# Altium PCB beovox-poe.PcbDoc (part 1 of 2) (continued)
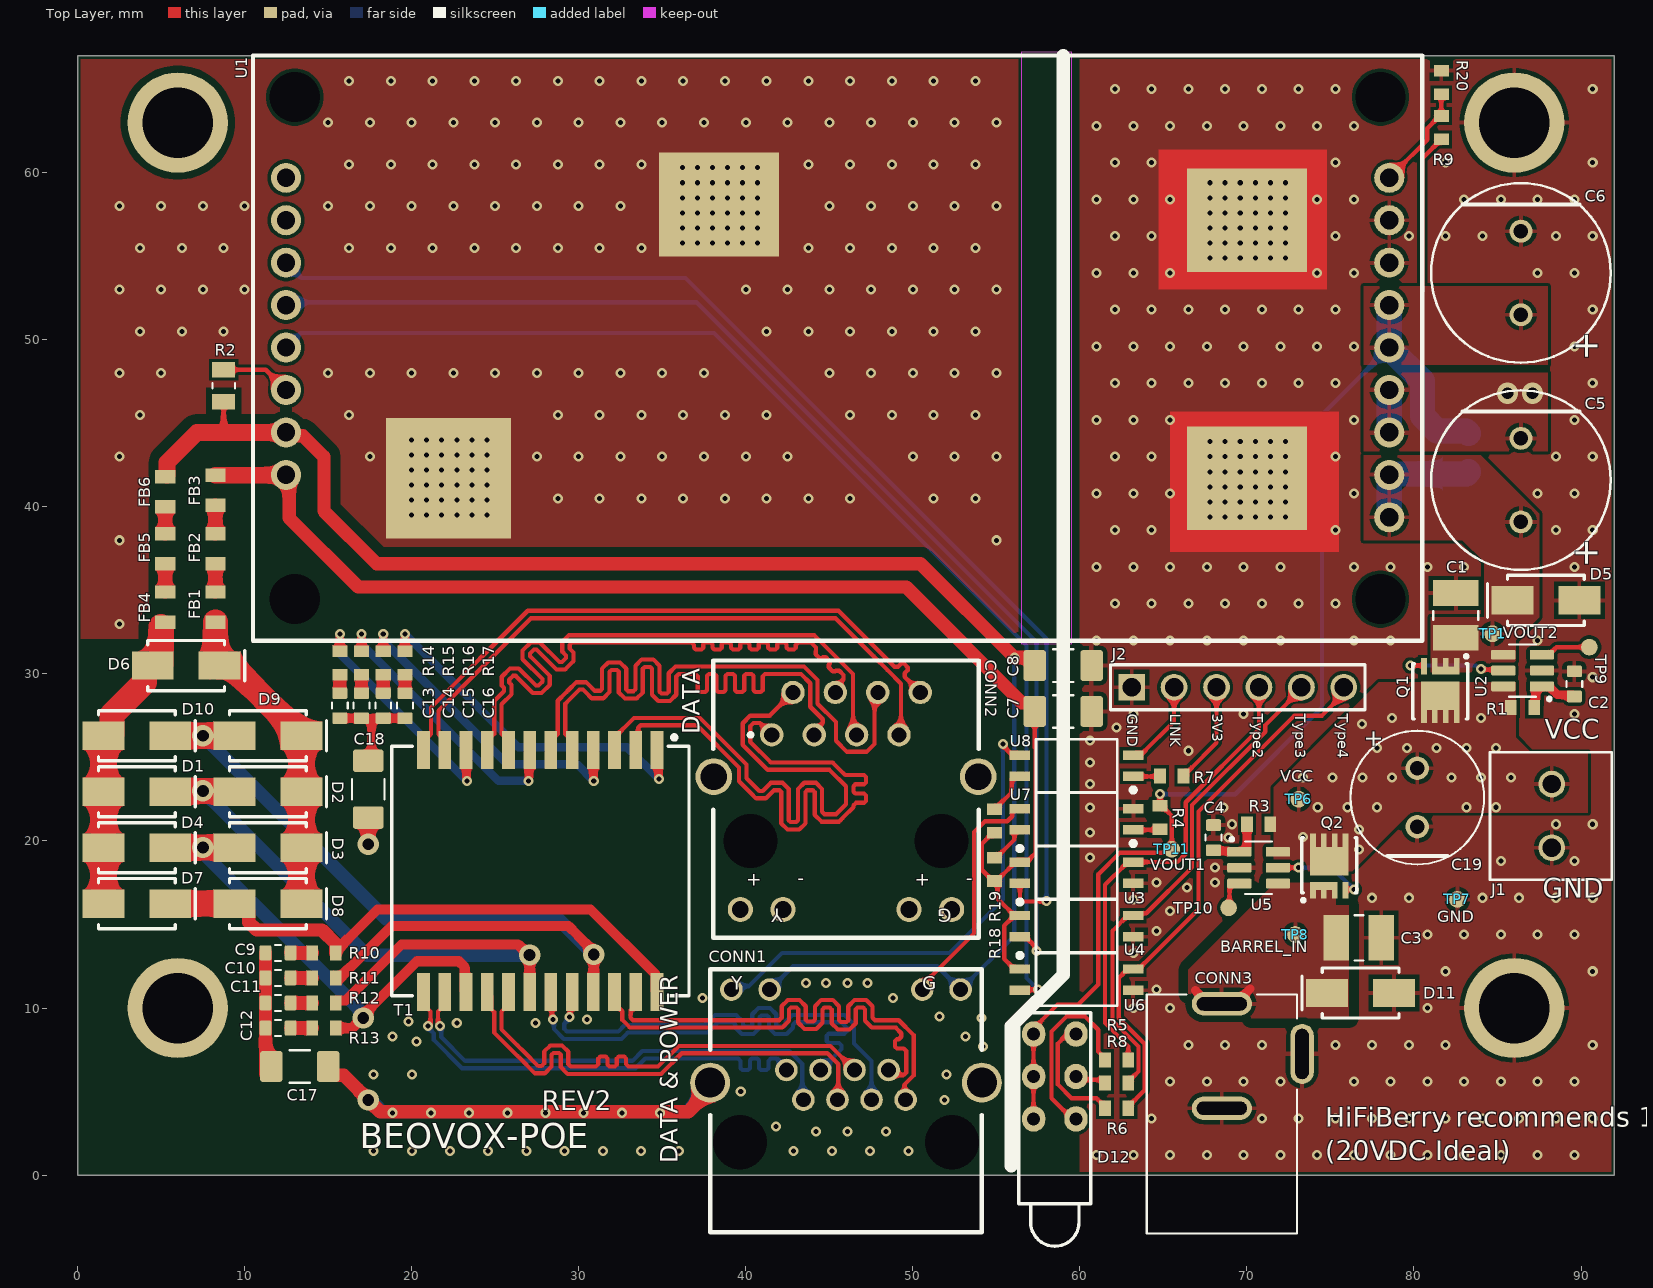
[diagram p0: Top Layer view]
## Classes and differential pairs
differential pair class DIFF100A: TxRxA TxRxB TxRxC TxRxD
differential pair class DIFF100B: TxRxA1 TxRxB1 TxRxC1 TxRxD1
net class HV: NetD1_2 NetD3_1 NetD7_2 NetD9_1 NetFB1_2 NetFB2_2 NetFB4_2 NetFB5_2 VIN2+ VIN2- VIN+ VIN-
differential pair TxRxD: +TxRxD_P -TxRxD_N
differential pair TxRxD1: +TxRxD1_P -TxRxD1_N
differential pair TxRxC: +TxRxC_P -TxRxC_N
differential pair TxRxC1: +TxRxC1_P -TxRxC1_N
differential pair TxRxB: +TxRxB_P -TxRxB_N
differential pair TxRxB1: +TxRxB1_P -TxRxB1_N
differential pair TxRxA1: +TxRxA1_P -TxRxA1_N
differential pair TxRxA: +TxRxA_P -TxRxA_N

## Components (designator, comment, footprint, x,y, rotation, side; value= is the part's Value field where it differs from the comment)
C1 "1uF / 100V" CAP_1210 82.5,33.5 r270 top
C2 "0.1uF" CAP_0603_SK 89.6,29.4 r270 top
C3 "1uF / 100V" CAP_1210 76.7,14.2 r180 top
C4 "0.1uF" CAP_0603_SK 68,20.2 r270 top
C5 "1000uF 35V" CAP_TH_5_10X20 86.4,41.6 r90 top value=1000uF
C6 "1000uF 35V" CAP_TH_5_10X20 86.4,54 r90 top value=1000uF
C7 "4.7nF 2kV" CAP_1206_SK 59,27.75 r0 top
C8 "4.7nF 2kV" CAP_1206_SK 59,30.5 r0 top
C9 "10nF" CAP_0603_SK 12,13.3 r0 top
C10 "10nF" CAP_0603_SK 12,11.8 r0 top
C11 "10nF" CAP_0603_SK 12,10.3 r0 top
C12 "10nF" CAP_0603_SK 12,8.8 r0 top
C13 "10nF" CAP_0603_SK 15.7,28.1 r90 top
C14 "10nF" CAP_0603_SK 17,28.1 r90 top
C15 "10nF" CAP_0603_SK 18.3,28.1 r90 top
C16 "10nF" CAP_0603_SK 19.6,28.1 r90 top
C17 "1000pF 2kV" CAP_1206_SK 13.3,6.5 r180 top
C18 "1000pF 2kV" CAP_1206_SK 17.4,23.1 r90 top
C19 "47uF / 100V" CAP_TH_3.5_8_12 80.2,22.6 r270 top
CONN1 "R-RJ45R08P-C000" R-RJ45R08P-C000 46,5.4 r0 top locked
CONN2 "R-RJ45S08P-C000" CONN_RJ45_R-RJ45S08P-C000 46,20 r180 top locked
CONN3 "DC-005H-D020" TENSILITY_54-00166 68.5,4 r0 top locked
D1 "SS36" DIOD-SMA-2_V 3.55,22.95 r0 top value="60V 3A"
D2 "SS36" DIOD-SMA-2_V 11.4,22.95 r0 top value="60V 3A"
D3 "SS36" DIOD-SMA-2_V 11.4,19.6 r0 top value="60V 3A"
D4 "SS36" DIOD-SMA-2_V 3.55,19.6 r0 top value="60V 3A"
D5 "60V / 2A" DIOD-B360A_V 87.9,34.4 r180 top
D6 "SMAJ58A" DIOD-SMA-2_V 6.5,30.5 r0 top value="58V 400W"
D7 "SS36" DIOD-SMA-2_V 3.55,16.25 r0 top value="60V 3A"
D8 "SS36" DIOD-SMA-2_V 11.4,16.25 r0 top value="60V 3A"
D9 "SS36" DIOD-SMA-2_V 11.4,26.3 r0 top value="60V 3A"
D10 "SS36" DIOD-SMA-2_V 3.55,26.3 r0 top value="60V 3A"
D11 "60V / 2A" DIOD-B360A_V 76.8,10.9 r180 top
D12 "3 Diode Vertical LED Green" MHK33147CGBTD 58.5,5.9 r0 top
FB1 "MPZ2012S601AT000" FB0805 8.25,34 r90 top
FB2 "MPZ2012S601AT000" FB0805 8.25,37.5 r90 top
FB3 "MPZ2012S601AT000" FB0805 8.25,41 r90 top
FB4 "MPZ2012S601AT000" FB0805 5.25,34 r90 top
FB5 "MPZ2012S601AT000" FB0805 5.25,37.5 r90 top
FB6 "MPZ2012S601AT000" FB0805 5.25,40.9 r90 top
J1 "DB125-3.81-2P-BK-S" TERM_2x1_3.81_BLK 88.25,21.5 r90 top
J2 "PZ254V-11-06P" HDR_MALE_1X6_2.54 69.45,29.2 r0 top
J3 "JUMPER" "SOLDER_JUMPER_3 large" 83.2,44.3 r90 bottom
J4 "JUMPER" "SOLDER_JUMPER_3 large" 83.2,51.7 r90 bottom
MP1 "SMTSOM380BTR" SMTSOM380_PlatedScrew 6,63 r180 bottom
MP2 "SMTSOM380BTR" SMTSOM380_PlatedScrew 86,63 r180 bottom
MP3 "SMTSOM380BTR" SMTSOM380_PlatedScrew 6,10 r180 bottom locked
MP4 "SMTSOM380BTR" SMTSOM380_PlatedScrew 86,10 r180 bottom locked
Q1 "100V 40A" TRANS_8POWERTDFN 81.575,28.95 r180 top
Q2 "100V 40A" TRANS_8POWERTDFN 74.925,18.55 r0 top
R1 "100" RES_0603 86.5,28 r180 top
R2 "0" RES_0805 8.75,47.25 r90 top
R3 "100" RES_0603 70.7,21 r0 top
R4 "10K" RES_0603 64.8,21.4 r90 top
R5 "10K" RES_0603 62.2,6.9 r0 top
R6 "10K" RES_0603 62.2,4 r0 top
R7 "1K" RES_0603 65.5,23.9 r180 top
R8 "10K" RES_0603 62.2,5.5 r0 top
R9 "91k" RES_0603 81.633,62.7 r90 top
R10 "75" RES_0603 14.75,13.3 r0 top value=75R
R11 "75" RES_0603 14.75,11.8 r0 top value=75R
R12 "75" RES_0603 14.75,10.3 r0 top value=75R
R13 "75" RES_0603 14.75,8.8 r0 top value=75R
R14 "75" RES_0603 15.7,30.65 r90 top value=75R
R15 "75" RES_0603 17,30.65 r90 top value=75R
R16 "75" RES_0603 18.3,30.65 r90 top value=75R
R17 "75" RES_0603 19.6,30.65 r90 top value=75R
R18 "10K" RES_0603 54.9,18.3 r270 top
R19 "10K" RES_0603 54.9,21.2 r270 top
R20 "8.2k" RES_0603 81.633,65.4 r270 top value=10kR
T1 "7490220122" XFMR_7490220122 27.7,18.2 r180 top
TP1 "TP" Test_Point 84.7,32.4 r0 top
TP6 "TP" Test_Point 73.1,22.5 r0 top
TP7 "TP" Test_Point 82.6,16.5 r0 top
TP8 "TP" Test_Point 72.9,14.4 r0 top
TP9 "TP" Test_Point 90.5,31.6 r0 top
TP10 "TP" Test_Point 68.9,16 r90 top
TP11 "TP" Test_Point 65.5,19.5 r90 top
U1 "AG5800" AG5800 45.5,49.5 r0 top locked
U2 "LM5050MK-1/NOPB" SOT95P280X110-6N 86.5,30.2 r180 top
U3 "OR-3H7B-TP-G" SOIC_(B)(TA)-VG_EVS 59.8,18.1 r0 top value="80V 3750V 50mA"
U4 "OR-3H7B-TP-G" SOIC_(B)(TA)-VG_EVS 59.8,14.9 r0 top value="80V 3750V 50mA"
U5 "LM5050MK-1/NOPB" SOT95P280X110-6N 70.7,18.4 r0 top
U6 "OR-3H7B-TP-G" SOIC_(B)(TA)-VG_EVS 59.8,11.7 r0 top value="80V 3750V 50mA"
U7 "OR-3H7B-TP-G" SOIC_(B)(TA)-VG_EVS 59.8,21.3 r180 top value="80V 3750V 50mA"
U8 "OR-3H7B-TP-G" SOIC_(B)(TA)-VG_EVS 59.8,24.5 r180 top value="80V 3750V 50mA"

## Footprints (in the part's own frame and the unit in brackets; to place one, negate y for a bottom-side part, rotate by r counter-clockwise, add the part's x,y. Pads: shape width x height; smd on the part's side, far side on the other; paste and mask are expansions set on the pad)
AG5800 [mm] "802.3bt PD Module"
  round 1.8 hole 1.1: 1(-33.02,10.195) 2(-33.02,7.655) 3(-33.02,5.115) 4(-33.02,2.575) 5(-33.02,0.035) 6(-33.02,-2.505) 7(-33.02,-5.045) 8(-33.02,-7.585) 9(33.02,-10.125) 10(33.02,-7.585) 11(33.02,-5.045) 12(33.02,-2.505) 13(33.02,0.035) 14(33.02,2.575) 15(33.02,5.115) 16(33.02,7.655) 17(33.02,10.195)
  rect 7.5x7.215 smd paste-10: 18(-23.3,-7.8)
  rect 7.2x6.2 smd paste-10: 18(-7.1,8.6) 19(24.5,-7.8) 19(24.5,7.655)
  round 0 hole 3: HOLE(-32.5,-15.025) HOLE(-32.5,15.025) HOLE(32.5,-15.025) HOLE(32.5,15.025)
  Top Layer keep-out region: 11,-17.7 14,-17.7 14,17.7 11,17.7
  silkscreen extent -35,-17.51 35,17.52, body extent -35,-17.51 35,17.52, height 18.15
CAP_0603_SK [mm] "Chip Capacitor, 2-Leads, Body 1.6x0.8mm, IPC Medium Density"
  rrect25% 0.7x0.9 smd: 1(-0.75,0) 2(0.75,0)
  silkscreen extent -0.18,-0.48 0.18,0.48, body extent -0.8,-0.4 0.8,0.4, height 0.9
CAP_1206_SK [mm] "Chip Capacitor, 2-Leads, Body 3.2x1.6mm, IPC Medium Density"
  rrect25% 1.35x1.85 smd: 1(-1.7,0) 2(1.7,0)
  silkscreen extent -0.6,-0.97 0.6,0.97, body extent -1.6,-0.92 1.6,0.9, height 1.63
CAP_1210 [mm]
  rect 1.53x2.72 smd: 1(-1.341,0) 2(1.341,0)
  silkscreen extent -0.26,-1.35 0.26,1.35, body extent -1.6,-1.25 1.6,1.25, height 2.71
CAP_TH_3.5_8_12 [mm] "alum cap, 3.5mm lead spacing, 8mm dia, 12mm height"
  round 1.4 hole 0.85: N(1.75,0) P(-1.75,0)
  silkscreen extent -4,-4 4,4, body extent -4,-4 4,4, height 11.51
CAP_TH_5_10X20 [mil]
  round 54 hole 34: N(98.43,0) P(-98.43,0)
  silkscreen extent -212,-212 212,212, body extent -197,-197 197,197, height 787
CONN_RJ45_R-RJ45S08P-C000 [mm] "RJ45 w/ LEDs"
  round 1.4 hole 0.9: 1(4.445,-6.35) 2(3.175,-8.89) 3(1.905,-6.35) 4(0.635,-8.89) 5(-0.635,-6.35) 6(-1.905,-8.89) 7(-3.175,-6.35) 8(-4.445,-8.89)
  round 1.5 hole 1: 9(6.325,4.1) 10(3.775,4.1) 11(-3.775,4.1) 12(-6.325,4.1)
  round 2.2 hole 1.6: S1(7.915,-3.85) S2(-7.915,-3.85)
  round 0 hole 3.25 unplated: ""(-5.715,0) ""(5.715,0)
  silkscreen extent -7.95,-10.8 7.95,5.8, body extent -7.95,-10.8 7.95,5.8, height 16.5
DIOD-B360A_V [mm] "Molded Diode, 2-Leads, Body 4.60x2.92mm"
  rect 2.5x1.7 smd: 1(-2,0) 2(2,0)
  silkscreen extent -2.3,-1.5 3.5,1.5, body extent -2.52,-1.46 2.52,1.46, height 2.3
DIOD-SMA-2_V [mm] "Molded Diode, 2-Leads, Body 4.6x2.92mm"
  rect 2.5x1.7 smd: 1(-2,0) 2(2,0)
  silkscreen extent -2.3,-1.5 3.5,1.5, body extent -2.52,-1.46 2.52,1.46, height 2.4
FB0805 [mm] "ferrite bead 0805"
  rect 0.8x1.2 smd paste+0: 1(-0.9,0) 2(0.9,0)
  body extent -1.35,-0.82 1.35,0.82, height 0.25
HDR_MALE_1X6_2.54 [mm] "Pin Header, pitch 2.54 mm, THT, Vertical, single row, 6p"
  rect 1.6x1.6 hole 1.1: 1(-6.35,0)
  round 1.6 hole 1.1: 2(-3.81,0) 3(-1.27,0) 4(1.27,0) 5(3.81,0) 6(6.35,0)
  silkscreen extent -7.62,-1.35 7.62,1.35, body extent -7.62,-1.27 7.62,1.27, height 8.55
MHK33147CGBTD [mil] "3 POS LED VERTICAL"
  oval 55.12x60 hole 30: 1(-50,100) 2(50,100) 3(-50,0) 4(50,0) 5(-50,-100) 6(50,-100)
  silkscreen extent -85,-400 85,150, body extent -85,-400 85,150, height 581
R-RJ45R08P-C000 [mm] "RJ45 shielded with LEDs"
  round 1.35 hole 0.89: 1(3.57,-0.89) 2(2.55,0.89) 3(1.53,-0.89) 4(0.51,0.89) 5(-0.51,-0.89) 6(-1.53,0.89) 7(-2.55,-0.89) 8(-3.57,0.89) 9(6.86,5.7) 10(4.57,5.7) 11(-4.57,5.7) 12(-6.86,5.7)
  round 0 hole 3.25 unplated: Hole(-6.35,-3.43) Hole(6.35,-3.43)
  round 2.4 hole 1.8: S1(8.13,0.13) S2(-8.13,0.13)
  silkscreen extent -8.13,-8.83 8.13,6.92, body extent -8.13,-8.83 8.13,6.92, height 13.1
RES_0603 [mm] "Chip Resistor, 2-Leads, Body 1.70x0.90mm, IPC Medium Density"
  rect 0.7x0.9 smd: 1(-0.7,0) 2(0.7,0)
  body extent -0.8,-0.4 0.8,0.4, height 0.56
RES_0805 [mm]
  rect 0.92x1.38 smd: 1(-0.955,0) 2(0.955,0)
  silkscreen extent -0.17,-0.68 0.17,0.68, body extent -1,-0.63 1,0.63, height 0.61
SMTSOM380_PlatedScrew [mm] "RND STANDOFF M3 8MM / Plated pad for screw"
  round 6.2 / inner round 0 / far side round 6 hole 4.22: 1(0,0)
  body extent -2.78,-2.78 2.78,2.78, height 8
SOIC_(B)(TA)-VG_EVS [mil]
  rect 48x22 smd paste+0 mask+2.36: 1(-133.5,25) 2(-133.5,-25) 3(133.5,-25) 4(133.5,25)
  silkscreen extent -139,-62 96,63, body extent -144,-57 144,57, height 79
"SOLDER_JUMPER_3 large" [mm]
  rect 2x3 smd mask+0.05: 1(-2.3,0) 2(0,0) 3(2.3,0)
SOT95P280X110-6N [mm]
  rrect25% 1.45x0.59 smd: 1(-1.155,0.95) 2(-1.155,0) 3(-1.155,-0.95) 4(1.155,-0.95) 5(1.155,0) 6(1.155,0.95)
  silkscreen extent -1.7,-1.57 0.8,1.8, body extent -1.4,-1.45 1.4,1.45, height 1.01
TENSILITY_54-00166 [mm]
  oval 3.6x1.4 hole 0.8 slot 3 at 0 deg mask+0.05: A(0,6.25) B(0,0)
  oval 1.4x3.6 hole 0.8 slot 3 at 90 deg mask+0.05: C(4.8,3.25)
  silkscreen extent -4.5,-7.5 4.5,6.8, body extent -4.5,-7.5 5,6.8, height 11
TERM_2x1_3.81_BLK [mil]
  round 63 / inner round 60 / far side round 63 hole 43: 1(-75,0) 2(75,0)
  silkscreen extent -150,-141 150,146, body extent -150,-142 150,146, height 335
Test_Point [mm]
  round 1 smd paste-1 mask+0: 1(0,0)
TRANS_8POWERTDFN [mm] "TSDSON, 8-Leads, Body 3.3x3.3mm, Pitch 0.65mm"
  rect 0.34x1 smd mask+0.102: 1(-0.975,-1.5) 2(-0.325,-1.5) 4(0.975,-1.5)
  rect 1.64x0.5 smd mask+0.102: 1(-0.325,-1.25) 2(-0.325,-1.25) 3(-0.325,-1.25)
  rect 0.34x1 smd: 3(0.325,-1.5)
  rect 2.29x1.71 smd mask+0.102: 5(0,0.245) 6(0,0.245) 7(0,0.245) 8(0,0.245)
  rect 0.34x0.8 smd mask+0.102: 5(0.975,1.5) 6(0.325,1.5) 7(-0.325,1.5) 8(-0.975,1.5)
  silkscreen extent -1.65,-2.2 1.65,1.65, body extent -1.65,-1.65 1.65,1.65, height 1.1
XFMR_7490220122 [mm] "SMD LAN Transformers, body 18.04x14.7mm, 24-Leads"
  rect 0.76x2.29 smd: 1(-6.985,-7.24) 2(-5.715,-7.24) 3(-4.445,-7.24) 4(-3.175,-7.24) 5(-1.905,-7.24) 6(-0.635,-7.24) 7(0.635,-7.24) 8(1.905,-7.24) 9(3.175,-7.24) 10(4.445,-7.24) 11(5.715,-7.24) 12(6.985,-7.24) 13(6.985,7.24) 14(5.715,7.24) 15(4.445,7.24) 16(3.175,7.24) 17(1.905,7.24) 18(0.635,7.24) 19(-0.635,7.24) 20(-1.905,7.24) 21(-3.175,7.24) 22(-4.445,7.24) 23(-5.715,7.24) 24(-6.985,7.24)
  silkscreen extent -8.9,-8.12 8.9,7.47, body extent -8.75,-8 8.75,8, height 9.05

## Part data
C1 C3: library part GRM32ER72A105KA01L, "1210 1 uF 100 V ±10% Tolerance X7R SMT Multilayer Ceramic Capacitor", Capacitance=1uF, Case Code (Imperial)=1210, Case Code (Metric)=3225, Dielectric=X7R, Manufacturer=Murata, Max Operating Temperature=125°C, Min Operating Temperature=-55°C, Package Quantity=1, Tolerance=10%, Voltage=100V, Case/Package=1210, Category="Ceramic Capacitors", ComponentLink1Description=https://datasheet.ciiva.com/11789/0900766b80ef921d-11789096.pdf?src-supplier=RSComponents, ComponentLink1URL=https://datasheet.ciiva.com/11789/0900766b80ef921d-11789096.pdf?src-supplier=RSComponents, ComponentLink2Description=https://datasheet.ciiva.com/3777/2750grm32er72a105ka0123-3777235.pdf?src-supplier=Arrow+Electronics, ComponentLink2URL=https://datasheet.ciiva.com/3777/2750grm32er72a105ka0123-3777235.pdf?src-supplier=Arrow+Electronics, ComponentLink3Description=https://datasheet.ciiva.com/29202/451519-da-01-de-vs-kondens-grm32-er72a-105ka01l-29202131.pdf?src-supplier=Conrad, ComponentLink3URL=https://datasheet.ciiva.com/29202/451519-da-01-de-vs-kondens-grm32-er72a-105ka01l-29202131.pdf?src-supplier=Conrad, ComponentLink4Description=https://datasheet.ciiva.com/7937/608985-7937781.pdf?src-supplier=Element14, ComponentLink4URL=https://datasheet.ciiva.com/7937/608985-7937781.pdf?src-supplier=Element14, ComponentLink5Description=https://datasheet.ciiva.com/22703/608985-22703400.pdf?src-supplier=Element14, ComponentLink5URL=https://datasheet.ciiva.com/22703/608985-22703400.pdf?src-supplier=Element14, ComponentLink6Description=https://datasheet.ciiva.com/141/partnumbering-e-01-141963.pdf?src-supplier=Digi-Key, ComponentLink6URL=https://datasheet.ciiva.com/141/partnumbering-e-01-141963.pdf?src-supplier=Digi-Key, ComponentLink7Description=https://datasheet.ciiva.com/141/partnumbering-e-01-141962.pdf?src-supplier=Digi-Key, ComponentLink7URL=https://datasheet.ciiva.com/141/partnumbering-e-01-141962.pdf?src-supplier=Digi-Key, ComponentLink8Description=https://datasheet.ciiva.com/141/partnumbering-e-01-141964.pdf?src-supplier=Digi-Key, ComponentLink8URL=https://datasheet.ciiva.com/141/partnumbering-e-01-141964.pdf?src-supplier=Digi-Key, ComponentLink9Description=https://datasheet.ciiva.com/5415/product-5415622.pdf?src-supplier=Mouser, ComponentLink9URL=https://datasheet.ciiva.com/5415/product-5415622.pdf?src-supplier=Mouser, ComponentLink10Description=https://datasheet.ciiva.com/16376/c02e-16376506.pdf?src-supplier=Future+Electronics, ComponentLink10URL=https://datasheet.ciiva.com/16376/c02e-16376506.pdf?src-supplier=Future+Electronics, Depth=2.5mm, Height=2.5mm, Lead Free="Lead Free", Length=3.2mm, Manufacturer Part Number=GRM32ER72A105KA01L, Material=Ceramic, Mount="Surface Mount", Number of Pins=2, Packaging="Tape and Reel", Pricing 1="1000=0.33337, 2000=0.32553, 4000=0.31768, 6000=0.30984, 8000=0.30199 (USD)", Reach SVHC Compliant=Yes, RoHS=Yes, RoHS Compliant=Yes, Series=GRM, Stock 1=22500, Supplier 1=Avnet, Supplier Part Number 1=GRM32ER72A105KA01L, Termination=SMD/SMT, Thickness=0.106inch, Voltage Rating=100V, Voltage Rating (DC)=100V, Width=0.098inch
C2 C4: library part CC0603KRX7R0BB104, "0603 0.1 uF 100 V ±10% Tolerance X7R Multilayer Ceramic Capacitor", Capacitance=100nF, Case Code (Imperial)=0603, Case Code (Metric)=1608, Dielectric=X7R, Manufacturer=Yageo, Max Operating Temperature=125°C, Min Operating Temperature=-55°C, Package Quantity=4000, Resistor Type=Ceramic, Supplier Part Number=C113803, Tolerance=10%, Voltage Rating=100V, Case/Package=0603, Category="Ceramic Capacitors", ComponentLink1Description=https://datasheet.ciiva.com/6277/mlccorderingcode-6277082.pdf?src-supplier=Digi-Key, ComponentLink1URL=https://datasheet.ciiva.com/6277/mlccorderingcode-6277082.pdf?src-supplier=Digi-Key, ComponentLink2Description=https://datasheet.ciiva.com/6277/mlccorderingcode-6277081.pdf?src-supplier=Digi-Key, ComponentLink2URL=https://datasheet.ciiva.com/6277/mlccorderingcode-6277081.pdf?src-supplier=Digi-Key, ComponentLink3Description=https://datasheet.ciiva.com/6277/mlccorderingcode-6277030.pdf?src-supplier=Digi-Key, ComponentLink3URL=https://datasheet.ciiva.com/6277/mlccorderingcode-6277030.pdf?src-supplier=Digi-Key, ComponentLink4Description=LCSC, ComponentLink4URL=https://www.lcsc.com/product-detail/Multilayer-Ceramic-Capacitors-MLCC-SMD-SMT_YAGEO-CC0603KRX7R0BB104_C113803.html, Depth=0.8mm, Lead Free="Lead Free", Length=0.063inch, Manufacturer Part Number=CC0603KRX7R0BB104, Mount="Surface Mount", Packaging="Tape and Reel", Pricing 1="1=0.01580 (USD)", RoHS=Yes, RoHS Compliant=Yes, Series=CC, Stock 1=2, Supplier=LCSC, Supplier 1="Arrow Electronics", Supplier Part Number 1=CC0603KRX7R0BB104, Termination=SMD/SMT, Thickness=0.035inch, Voltage Rating (DC)=100V, Weight=7.1E-05oz, Width=0.031inch
C5 C6: library part ERR1VM102G20OT, "1000uF 35V ±20% Plugin,D10xL20mm Aluminum Electrolytic Capacitors - Leaded ROHS", Manufacturer=AISHI, Supplier Part Number=C398835, Voltage=35V, ComponentLink1Description=LCSC, ComponentLink1URL=https://www.lcsc.com/product-detail/Aluminum-Electrolytic-Capacitors-Leaded_AISHI-Aihua-Group-ERR1VM102G20OT_C398835.html, Manufacturer Part Number=ERR1VM102G20OT, Supplier=LCSC
C7 C8: library part 1206B472K202NT, "2kV 4700pF X7R ±10% 1206 Multilayer Ceramic Capacitors MLCC - SMD/SMT ROHS", Manufacturer="FH (Guangdong Fenghua Advanced Tech)", Supplier Part Number=C41017, ComponentLink1Description=LCSC, ComponentLink1URL=https://www.lcsc.com/product-detail/Multilayer-Ceramic-Capacitors-MLCC-SMD-SMT_FH-Guangdong-Fenghua-Advanced-Tech-1206B472K202NT_C41017.html, Manufacturer Part Number=1206B472K202NT, Supplier=LCSC
C9 C10 C11 C12 C13 C14 C15 C16: library part 0603B103K101CT, "Multilayer Ceramic Capacitor, 0.01 F, 10%, X7R, 100 V, 0603 [1608 Metric] Rohs Compliant: Yes", Case Code (Imperial)=0603, Case Code (Metric)=1608, Dielectric=X7R, Manufacturer="Walsin Technologies", Max Operating Temperature=125°C, Min Operating Temperature=-55°C, Supplier Part Number=C302008, Tolerance=10%, Voltage Rating=100V, Capacitance=10nF, Case/Package=0603, Category="Ceramic Capacitors", ComponentLink1Description=http://www.farnell.com/datasheets/2340522.pdf?src-supplier=Farnell, ComponentLink1URL=http://www.farnell.com/datasheets/2340522.pdf?src-supplier=Farnell, ComponentLink2Description=http://www.passivecomponent.com/wp-content/uploads/2018/10/MLCC.pdf?src-supplier=Digi-Key, ComponentLink2URL=http://www.passivecomponent.com/wp-content/uploads/2018/10/MLCC.pdf?src-supplier=Digi-Key, ComponentLink3Description=http://www.passivecomponent.com/indexsea/0603B103K101CT-IS.pdf?src-supplier=Digi-Key, ComponentLink3URL=http://www.passivecomponent.com/indexsea/0603B103K101CT-IS.pdf?src-supplier=Digi-Key, ComponentLink4Description=http://www.farnell.com/datasheets/2340522.pdf?src-supplier=Element14, ComponentLink4URL=http://www.farnell.com/datasheets/2340522.pdf?src-supplier=Element14, ComponentLink5Description=http://www.farnell.com/datasheets/2340522.pdf?src-supplier=Newark, ComponentLink5URL=http://www.farnell.com/datasheets/2340522.pdf?src-supplier=Newark, ComponentLink6Description=LCSC, ComponentLink6URL=https://www.lcsc.com/product-detail/Multilayer-Ceramic-Capacitors-MLCC-SMD-SMT_Walsin-Tech-Corp-0603B103K101CT_C302008.html, Depth=0.8mm, Length=1.6mm, Manufacturer Part Number=0603B103K101CT, Packaging="Tape and Reel", Pricing 1="4000=0.00810, 8000=0.00720, 12000=0.00620, 40000=0.00610 (USD)", REACH SVHC=Unknown, RoHS=Yes, RoHS Compliant=Yes, Stock 1=100000, Supplier=LCSC, Supplier 1="Arrow Electronics", Supplier Part Number 1=0603B103K101CT, Voltage Rating (DC)=100V
C17 C18: library part CC1206KKX7RDBB102, "Multilayer Ceramic Capacitor, 1000 pF, 2000 V, ± 10%, X7R, 1206 [3216 Metric]", Capacitance=1nF, Case Code (Imperial)=1206, Case Code (Metric)=3216, Dielectric=X7R, Insulation Resistance=10GR, Manufacturer=Yageo, Max Operating Temperature=125°C, Min Operating Temperature=-55°C, Package Quantity=1, Supplier Part Number=C23631, Supplier Part Number 1=2008092, Tolerance=10%, Voltage=2kV, Case/Package=1206, Category="Ceramic Capacitors", ComponentLink1Description=https://datasheet.ciiva.com/23942/1449957-23942422.pdf?src-supplier=Newark, ComponentLink1URL=https://datasheet.ciiva.com/23942/1449957-23942422.pdf?src-supplier=Newark, ComponentLink2Description=https://datasheet.ciiva.com/186/upy-np0x7r-hv-1kv-to-3kv-4-186736.pdf?src-supplier=Digi-Key, ComponentLink2URL=https://datasheet.ciiva.com/186/upy-np0x7r-hv-1kv-to-3kv-4-186736.pdf?src-supplier=Digi-Key, ComponentLink3Description=https://datasheet.ciiva.com/186/upy-np0x7r-hv-1kv-to-3kv-4-186735.pdf?src-supplier=Digi-Key, ComponentLink3URL=https://datasheet.ciiva.com/186/upy-np0x7r-hv-1kv-to-3kv-4-186735.pdf?src-supplier=Digi-Key, ComponentLink4Description=https://datasheet.ciiva.com/186/upy-np0x7r-hv-1kv-to-3kv-4-186737.pdf?src-supplier=Digi-Key, ComponentLink4URL=https://datasheet.ciiva.com/186/upy-np0x7r-hv-1kv-to-3kv-4-186737.pdf?src-supplier=Digi-Key, ComponentLink5Description=https://datasheet.ciiva.com/13386/upy-gp-np0-16v-to-50v-8-13386312.pdf?src-supplier=Mouser, ComponentLink5URL=https://datasheet.ciiva.com/13386/upy-gp-np0-16v-to-50v-8-13386312.pdf?src-supplier=Mouser, ComponentLink6Description=LCSC, ComponentLink6URL=https://www.lcsc.com/product-detail/Multilayer-Ceramic-Capacitors-MLCC-SMD-SMT_YAGEO-CC1206KKX7RDBB102_C23631.html, Construction=Flat, Depth=1.6mm, Dissipation Factor=2.5%, Height=1.25mm, Lead Free="Lead Free", Length=3.2mm, Manufacturer Part Number=CC1206KKX7RDBB102, Material=4241ConductorMaterial, Mount="Surface Mount", Number of Pins=2, Packaging="Tape and Reel", Pricing 1="3000=0.0177, 9000=0.0171, 30000=0.0164, 60000=0.016, 120000=0.0154 (USD)", Radiation Hardening=No, Reach SVHC Compliant=Unknown, RoHS=Yes, RoHS Compliant=Yes, Series=CC, Stock 1=1107000, Supplier=LCSC, Supplier 1="Future Electronics", Termination=SMD/SMT, Thickness=0.057inch, Voltage Rating=2kV, Voltage Rating (DC)=2kV, Width=0.063inch
C19: library part ERS1KM470F12OT, "47uF 100V ±20% Plugin,D8xL12mm Aluminum Electrolytic Capacitors - Leaded ROHS", Manufacturer="AISHI(Aihua Group)", Supplier Part Number=C106688, ComponentLink1Description=LCSC, ComponentLink1URL=https://www.lcsc.com/product-detail/Aluminum-Electrolytic-Capacitors-Leaded_AISHI-Aihua-Group-ERS1KM470F12OT_C106688.html, Manufacturer Part Number=ERS1KM470F12OT, Supplier=LCSC
CONN1: "RJ45 RJReceptacle 1 有屏蔽 Right-Angle WithLED 0℃~+70℃ Plugin Ethernet Connectors/Modular Connectors (RJ45 RJ11) ROHS", Manufacturer=Ckmtw, Supplier Part Number=C386757, ComponentLink1Description=LCSC, ComponentLink1URL=https://www.lcsc.com/product-detail/Ethernet-Connectors-Modular-Connectors-RJ45-RJ11_Ckmtw-Shenzhen-Cankemeng-R-RJ45R08P-C000_C386757.html, Manufacturer Part Number=R-RJ45R08P-C000, Supplier=LCSC
CONN2: "RJ45 RJReceptacle 1 有屏蔽 Straight WithLED 0℃~+70℃ Plugin Ethernet Connectors/Modular Connectors (RJ45 RJ11) ROHS", Manufacturer="Ckmtw(Shenzhen Cankemeng)", Supplier Part Number=C386764, ComponentLink1Description=LCSC, ComponentLink1URL=https://www.lcsc.com/product-detail/Ethernet-Connectors-Modular-Connectors-RJ45-RJ11_Ckmtw-Shenzhen-Cankemeng-R-RJ45S08P-C000_C386764.html, Manufacturer Part Number=R-RJ45S08P-C000, Supplier=LCSC
CONN3: "Right-Angle DC Power Receptacle -30℃~+85℃ 2mm 5.8mm 7A 35V Plugin AC/DC Power Connectors ROHS", Manufacturer=G-Switch, Supplier Part Number=C5155559, ComponentLink1Description=LCSC, ComponentLink1URL=https://www.lcsc.com/product-detail/AC-DC-Power-Connectors_G-Switch-DC-005H-D020_C5155559.html, Manufacturer Part Number=DC-005H-D020, Supplier=LCSC
D1 D2 D3 D4 D7 D8 D9 D10: "60V 700mV@3A 3A SMA(DO-214AC) Schottky Barrier Diodes (SBD) ROHS", Manufacturer=MDD, Supplier Part Number=C16015, ComponentLink1Description=LCSC, ComponentLink1URL=https://www.lcsc.com/product-detail/Schottky-Barrier-Diodes-SBD_MDD-Microdiode-Electronics-SS36_C16015.html, Manufacturer Part Number=SS36, Supplier=LCSC
D5 D11: library part B260-13-F, "VR=60V IF=2A 200pF", Average Rectified Current=2A, Capacitance=200pF, Case/Package=SMB, Forward Voltage=700mV, Manufacturer=Diodes, Max Forward Surge Current (Ifsm)=50A, Max Operating Temperature=150°C, Max Repetitive Reverse Voltage (Vrrm)=60V, Max Reverse Current=500uA, Min Operating Temperature=-65°C, Package Quantity=3000, Supplier Part Number=C72265, Supplier Part Number 1=23T4612, Category="Rectifier Diodes", ComponentLink1Description=https://datasheet.ciiva.com/26949/getdatasheetpartid-116011-26949343.pdf?src-supplier=Verical, ComponentLink1URL=https://datasheet.ciiva.com/26949/getdatasheetpartid-116011-26949343.pdf?src-supplier=Verical, ComponentLink2Description=https://datasheet.ciiva.com/16199/ds13004-16199944.pdf?src-supplier=Future+Electronics, ComponentLink2URL=https://datasheet.ciiva.com/16199/ds13004-16199944.pdf?src-supplier=Future+Electronics, ComponentLink3Description=https://datasheet.ciiva.com/4715/ds13004-70120-4715821.pdf?src-supplier=Mouser, ComponentLink3URL=https://datasheet.ciiva.com/4715/ds13004-70120-4715821.pdf?src-supplier=Mouser, ComponentLink4Description=LCSC, ComponentLink4URL=https://www.lcsc.com/product-detail/Schottky-Barrier-Diodes-SBD_Diodes-Incorporated-B260-13-F_C72265.html, Contact Plating=Tin,Matte, Current=2A, Current Rating=2A, Element Configuration=Single, Forward Current=2A, Height=2.62mm, Lead Free="Lead Free", Length=4.57mm, Manufacturer Part Number=B260-13-F, Max Reverse Voltage (DC)=60V, Mount="Surface Mount", Number of Pins=2, Output Current=2A, Packaging="Cut Tape", Peak Non-Repetitive Surge Current=50A, Polarity=Standard, Pricing 1="1=0.45000, 5=0.45000, 10=0.36200, 25=0.32300, 50=0.28500, 100=0.24600, 250=0.20600, 500=0.16700, 1000=0.13400 (USD)", Radiation Hardening=No, Reach SVHC Compliant=Yes, RoHS=Yes, RoHS Compliant=Yes, Series=-, Stock 1=2763, Supplier=LCSC, Supplier 1=Newark, Termination=SMD/SMT, Voltage=60V, Voltage Rating (DC)=60V, Weight=0.00328oz, Width=3.94mm
D6: "4.3A 400W 93.6V 64.4V 58V SMA(DO-214AC) TVS ROHS", Manufacturer=GOODWORK, Supplier Part Number=C2980408, ComponentLink1Description=LCSC, ComponentLink1URL=https://www.lcsc.com/product-detail/TVS_GOODWORK-SMAJ58A_C2980408.html, Manufacturer Part Number=SMAJ58A, Supplier=LCSC
D12: library part MHK33147CGBTD, "20mA 30mcd 雾状绿透镜 -40℃~+85℃ 568nm Green 60° 2.6V DIP-6-2.54mm Light Emitting Diodes (LED) ROHS", Manufacturer=MEIHUA, Supplier Part Number=C7470849, ComponentLink1Description=LCSC, ComponentLink1URL=https://www.lcsc.com/product-detail/Light-Emitting-Diodes-LED_MEIHUA-MHK33147CGBTD_C7470849.html, Manufacturer Part Number=MHK33147CGBTD, Supplier=LCSC
FB1 FB2 FB3 FB4 FB5 FB6: "Ferrite Beads Multi-Layer Power 600Ohm 25% 100MHz 2A 100mOhm DCR 0805 T/R", Case Code (Imperial)=0805, Case Code (Metric)=2012, Current Rating=2A, DC Resistance (DCR)=100mR, Manufacturer=TDK, Max Operating Temperature=125°C, Min Operating Temperature=-55°C, Package Quantity=1, Supplier Part Number=C21519, Supplier Part Number 1=445-MPZ2012S601AT000CT-ND, Test Frequency=100MHz, Tolerance=25%, Case/Package=0805, Category="Ferrite Beads and Chips", ComponentLink1Description=https://datasheet.ciiva.com/46634/beads-commercial-power-mpz-en-46634335.pdf?src-supplier=Digi-Key, ComponentLink1URL=https://datasheet.ciiva.com/46634/beads-commercial-power-mpz-en-46634335.pdf?src-supplier=Digi-Key, ComponentLink2Description=https://datasheet.ciiva.com/46634/beads-commercial-power-mpz-en-46634377.pdf?src-supplier=Digi-Key, ComponentLink2URL=https://datasheet.ciiva.com/46634/beads-commercial-power-mpz-en-46634377.pdf?src-supplier=Digi-Key, ComponentLink3Description=https://datasheet.ciiva.com/46634/beads-commercial-power-mpz-en-46634606.pdf?src-supplier=Digi-Key, ComponentLink3URL=https://datasheet.ciiva.com/46634/beads-commercial-power-mpz-en-46634606.pdf?src-supplier=Digi-Key, ComponentLink4Description=LCSC, ComponentLink4URL=https://www.lcsc.com/product-detail/Ferrite-Beads_TDK-MPZ2012S601AT000_C21519.html, Core Material=Ferrite, Height=0.041inch, Impedance=600R, Lead Free="Lead Free", Length=0.079inch, Manufacturer Part Number=MPZ2012S601AT000, Max Current Rating=2A, Max DC Current=2A, Mount="Surface Mount", Number of Lines=1, Packaging="Tape and Reel", Pricing 1="1=0.12, 10=0.094, 25=0.0848, 50=0.0622, 100=0.0537, 250=0.0424, 500=0.03582, 1000=0.03016 (USD)", Reach SVHC Compliant=No, RMS Current (Irms)=2A, RoHS=Yes, RoHS Compliant=Yes, Series=MPZ, Series Resistance=100mR, Stock 1=54486, Supplier=LCSC, Supplier 1=Digi-Key, Width=0.049inch